# Altium PCB Spektrop2_PCB_Combined_CMV4000_V2.PcbDoc (part 6 of 6)
Units mm, origin at the board's own origin, x right, y up, seen from the top; angles counter-clockwise.
Board outline 86 x 42 mm, 8 copper layers (TOP, L1-GND, L2, L3-1V8, L4-PWR, L5, L6-P2V5, BTM), stack 1.588 mm thick; 343 components, 311 nets, 1810 pads, 948 vias.
Unrouted connection lines stored in the file: 2.
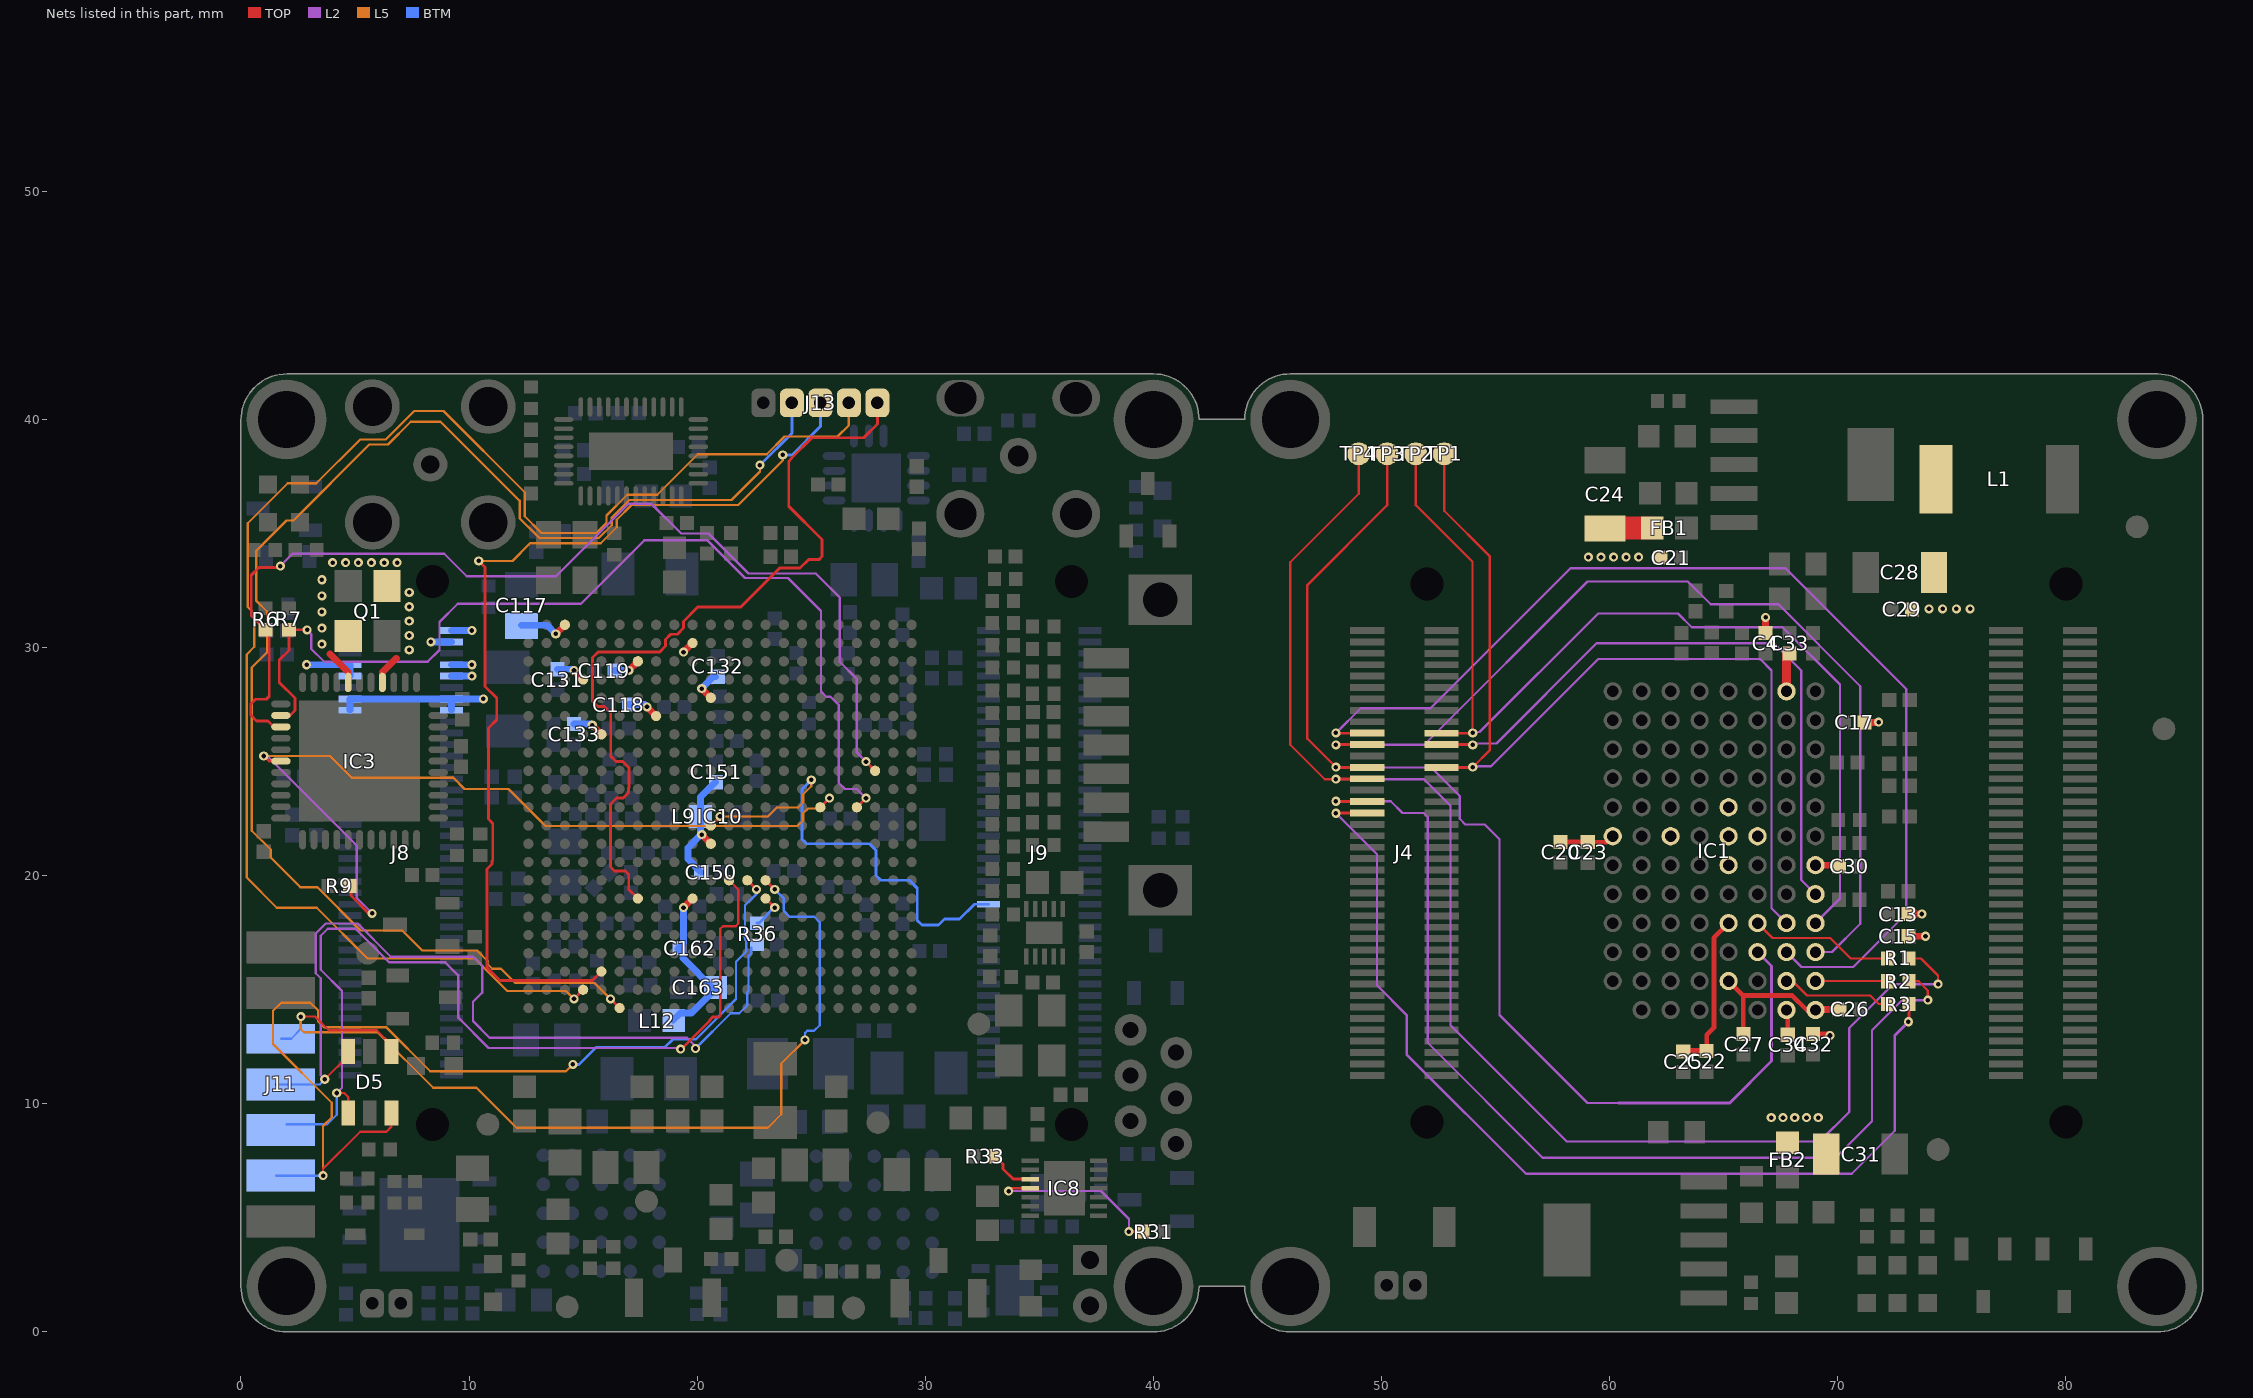
[diagram p12: the nets of this part, all layers, seen from the top]

## Via types
v1: diameter 0.4, hole 0.2, TOP to BTM, tented both sides, 941 vias
v2: diameter 0.4, hole 0.2, TOP to BTM, 7 vias

## Nets (pads, with @x,y where several pads share a name; then routed paths per layer and width w, separated by ;. In a path a pad name is that pad's centre, name@x,y a point inside that pad or via, vN(x,y) a via of type N, cw(c..) or ccw(c..) an arc to the next point about the centre after c; other vN are vias at no path point) (continued)
SI5340_nRST: IC3.17 IC10.M6 R9.2 | length 38.8
  TOP w0.125: v1@1,25.25 v1(0.999,25.249) 1.223,25.025 IC3.17@1.75,25.025 ; R9.2@4.825,19.55 4.825,19.125 5.6,18.35 v1(5.75,18.35) ; IC10.M6@25.399,23 v1(25.799,23.4)
  L2 w0.1: v1(0.999,25.249) 1.151,25.249 5.075,21.325 5.075,19.025 v1(5.75,18.35)
  L5 w0.1: v1(0.999,25.249) 3.899,25.249 4.848,24.3 9.301,24.3 9.801,23.8 11.725,23.8 13.35,22.175 24.4,22.175 24.649,22.424 24.649,22.745 24.854,22.95 25.349,22.95 v1(25.799,23.4)
SI5340_SCL: IC3.14 IC10.P3 R6.2 | length 46.2
  TOP w0.125: R6.2@1.075,30.78 0.45,31.405 0.45,33.175 0.788,33.513 1.588,33.513 1.675,33.6 1.7,33.575 v1(1.725,33.575) ; R6.2@1.238,30.617 1.238,27.864 1.111,27.738 0.638,27.738 0.425,27.525 0.425,27.05 0.687,26.788 1.187,26.788 1.45,26.525 IC3.14@1.75,26.525 ; v1(27.4,25) IC10.P3@27.799,24.6
  L2 w0.1: v1(1.725,33.575) 2.26,34.11 8.915,34.11 9.9,33.125 13.805,33.125 16.98,36.3 18,36.3 19.3,35 20.5,35 22.25,33.25 25.2,33.25 26.25,32.2 26.25,29.375 27,28.625 27,25.4 v1(27.4,25)
SI5340_SDA: IC3.13 IC10.M4 R7.2 | length 43.2
  TOP w0.125: IC3.13@1.75,27.025 2.15,27.025 2.362,27.237 2.362,27.788 1.675,28.475 1.675,29.45 2.1,29.875 R7.2@2.1,30.78 ; R7.2@2.125,30.755 R7.2@2.1,30.78 ; v1(2.9,30.775) 2.895,30.78 R7.2@2.1,30.78 ; IC10.M4@26.999,23 v1(27.399,23.4)
  L2 w0.1: v1(2.9,30.775) 3.075,30.6 3.075,29.95 3.65,29.375 8.182,29.375 8.7,29.893 8.7,31.125 9.5,31.925 14.905,31.925 17.68,34.7 20.45,34.7 22.1,33.05 23.975,33.05 25.424,31.601 25.424,28.08 25.654,27.85 25.844,27.85 26.2,27.494 26.2,24.075 26.475,23.8 26.999,23.8 v1(27.399,23.4)
SPI_CLK: IC1.H4 J4.19 TP2.1 | length 45.1
  TOP w0.1: TP2.1@51.5,38.496 51.5,36.246 53.987,33.759 v1@53.987,26.246
  TOP w0.125: J4.19@52.626,26.246 53.987,26.246 v1(53.999,26.258)
  L2 w0.1: v1(53.999,26.258) 54.037,26.296 54.3,26.296 59.5,31.496 63,31.496 63.6,30.896 67.582,30.896 70.1,28.378 70.1,18.996 IC1.H4@69.025,17.921
SPI_EN: IC1.G4 J4.25 TP1.1 | length 42.9
  TOP w0.1: TP1.1@52.75,38.496 52.75,35.996 54.75,33.996 54.75,25.509 v1(53.999,24.758)
  TOP w0.125: J4.25@52.626,24.746 53.987,24.746 v1(53.999,24.758)
  L2 w0.1: v1(53.999,24.758) 54.037,24.796 54.8,24.796 59.5,29.496 66.6,29.496 67.1,28.996 67.1,18.576 IC1.G4@67.755,17.921
SPI_IN: IC1.F3 J4.26 TP3.1 | length 53.2
  TOP w0.1: v1(48.001,24.758) 46.75,26.009 46.75,32.746 50.25,36.246 TP3.1@50.25,38.496
  TOP w0.125: v1(48.001,24.758) 48.013,24.746 J4.26@49.375,24.746
  L2 w0.1: v1(48.001,24.758) 48.013,24.746 52.175,24.746 53.425,23.496 53.425,22.496 53.675,22.246 54.525,22.246 55.175,21.596 55.175,13.896 59.035,10.036 60.4,10.036
  L2 w0.125: 60.4,10.036 65.265,10.036 67.1,11.871 67.1,16.036 IC1.F3@66.485,16.651
SPI_OUT: J4.28 R1.1 TP4.1 | length 63.7
  TOP w0.1: v1(48.001,24.233) 47.513,24.233 46,25.746 46,33.746 49,36.746 TP4.1@49,38.496 ; R1.1@73.118,16.546 73.293,16.371 73.65,16.371 74.4,15.621 v1(74.4,15.246)
  TOP w0.125: v1(48.001,24.233) 48.013,24.246 J4.28@49.375,24.246
  L2 w0.1: v1(48.001,24.233) 51.863,24.233 53.025,23.071 53.025,13.446 58.125,8.346 69.2,8.346 70.5,9.646 70.5,13.326 72.42,15.246 v1(74.4,15.246)
SPI_OUT_R: IC1.F4 R1.2 | length 6.4
  TOP w0.1: IC1.F4@66.485,17.921 67.135,17.271 69.675,17.271 70.575,16.371 72.003,16.371 R1.2@72.178,16.546
SYS_RES_N: IC1.H5 J4.21 | length 28.5
  TOP w0.125: J4.21@52.626,25.746 53.987,25.746 v1(53.999,25.733)
  L2 w0.1: v1(53.999,25.733) 54.062,25.796 55.037,25.796 59.437,30.196 67.2,30.196 68.4,28.996 68.4,19.816 IC1.H5@69.025,19.191 IC1.H5@69.286,19.191
T_dig1: J4.32 R2.1 | length 46.3
  TOP w0.1: R2.1@73.088,15.546 73.263,15.371 73.55,15.371 73.95,14.971 v1(73.95,14.546)
  TOP w0.125: v1(48,23.262) 48.012,23.25 J4.32@49.374,23.25
  L2 w0.1: v1(48,23.262) 50.409,23.262 50.925,22.746 51.85,22.746 52.025,22.571 52.025,12.675 57.061,7.639 69.907,7.639 71.5,9.232 71.5,13.221 72.825,14.546 v1(73.95,14.546)
T_dig1_R: IC1.H2 R2.2 | length 3.2
  TOP w0.1: IC1.H2@69.025,15.381 72.013,15.381 R2.2@72.178,15.546
T_dig2: J4.34 R3.1 | length 43.4
  TOP w0.125: v1(48,22.737) 48.012,22.749 J4.34@49.374,22.749 ; v1(73.1,13.596) 73.118,13.614 R3.1@73.118,14.371
  L2 w0.1: v1(48,22.737) 49.8,20.937 49.8,15.196 51.1,13.896 51.1,12.163 56.331,6.932 70.614,6.932 72.5,8.818 72.5,12.996
  L2 w0.125: 72.5,12.996 v1(73.1,13.596)
T_dig2_R: IC1.G2 R3.2 | length 4.9
  TOP w0.1: IC1.G2@67.755,15.381 68.015,15.381 68.65,14.746 71.425,14.746 71.8,14.371 72.003,14.371 R3.2@72.178,14.546
T_Exp1: IC1.H3 J4.22 | length 42.1
  TOP w0.125: v1(48.001,25.733) 48.013,25.746 J4.22@49.375,25.746
  L2 w0.1: v1(48.001,25.733) 48.013,25.746 51.875,25.746 59.025,32.896 63.429,32.896 64.429,31.896 67.4,31.896 70.991,28.305 70.991,17.898 69.745,16.651 IC1.H3@69.025,16.651
T_Exp2: IC1.G3 J4.20 | length 47.9
  TOP w0.125: v1(48.001,26.258) 48.013,26.246 J4.20@49.374,26.246
  L2 w0.1: v1(48.001,26.258) 49.088,27.346 52.15,27.346 58.286,33.482 67.714,33.482 73.007,28.189 73.007,18.328 70.675,15.996 68.41,15.996 IC1.G3@67.755,16.651
TCK: D5.1 IC10.H11 J11.6 | length 40.3
  TOP w0.1: v1(4.2,10.475) 4.525,10.475 4.7,10.3 D5.1@4.7,9.6 ; 20.95,13.805 21.01,13.866 21.01,17.67 21.128,17.787 21.687,17.787 21.8,17.9 21.8,19.399 IC10.H11@21.399,19.8
  TOP w0.125: v1(19.275,12.4) 19.311,12.4 20.559,13.648 20.559,13.684 20.68,13.805 20.95,13.805
  L2 w0.1: v1(4.2,10.475) 4.425,10.7 4.425,14.95 3.5,15.875 3.5,17.368 3.807,17.675 5.025,17.675 6.5,16.2 8.95,16.2 9.519,15.631 9.519,13.775 9.53,13.775 10.856,12.449 19.226,12.449 v1(19.275,12.4) v1@19.275,12.419
  BTM w0.1: J11.6@2,9.1 3.775,9.1 4.2,9.525 v1(4.2,10.475)
TDI: D5.4 IC10.H9 J11.10 | length 42.8
  TOP w0.1: v1(2.625,13.825) 3.25,13.825 3.85,13.225 5.95,13.225 6.6,12.575 D5.4@6.6,12.3
  TOP w0.125: IC10.H9@22.999,19.8 v1(23.399,19.4)
  L5 w0.1: v1(2.625,13.825) 2.625,13.275 2.763,13.137 5.988,13.137 8.425,10.7 10.325,10.7 12.075,8.95 23.1,8.95 23.688,9.538 23.688,11.763 v1(24.725,12.8)
  BTM w0.1: J11.10@1.75,12.85 2.2,12.85 2.625,13.275 v1(2.625,13.825) ; v1@23.4,19.4 23.8,19 23.8,18.45 24.05,18.2 25.129,18.2 25.375,17.954 25.375,17.625 ; v1(24.725,12.8) 24.725,13.1 24.825,13.2 25.125,13.2 25.374,13.449 25.374,17.626
  BTM w0.125: v1(23.399,19.4) v1@23.4,19.4
TDO: D5.6 J11.8 R36.1 | length 37.2
  TOP w0.1: v1(3.675,11.075) 4.7,12.1 D5.6@4.7,12.3
  L2 w0.1: v1(3.675,11.075) 3.5,11.25 3.5,15.5 3.275,15.725 3.275,17.461 3.714,17.9 5.118,17.9 6.568,16.45 10.175,16.45 10.575,16.05 10.575,14.875 10.175,14.475 10.175,13.625 10.9,12.9 19.55,12.9 19.925,12.525 v1(19.925,12.425)
  BTM w0.1: J11.8@1.55,10.85 3.45,10.85 v1(3.675,11.075) ; v1(19.925,12.425) 21.474,13.974 21.849,13.974 22.19,14.315 22.19,14.897 22.249,14.956 22.249,16.479 22.375,16.605 R36.1@22.375,16.85
TDO_R: IC10.G9 R36.2 | length 1.6
  TOP w0.125: IC10.G9@22.999,19 v1(23.399,18.6)
  BTM w0.125: R36.2@22.625,17.92 22.72,17.92 23.028,18.228 23.028,18.262 v1@23.33,18.565
  BTM w0.2: v1@23.33,18.565 v1(23.399,18.6)
TMS: D5.3 IC10.H10 J11.4 | length 44.2
  TOP w0.1: v1(3.6,6.85) 3.6,7.15 5.225,8.775 6.375,8.775 6.6,9 D5.3@6.6,9.6
  TOP w0.125: IC10.H10@22.199,19.8 v1(22.599,19.4)
  L5 w0.1: v1(3.6,6.85) 3.6,9.025 3.975,9.4 3.975,10.05 1.4,12.625 1.4,14.075 1.75,14.425 3.05,14.425 3.372,14.103 3.372,13.628 3.638,13.363 6.356,13.363 8.293,11.425 14.25,11.425 v1(14.55,11.725)
  BTM w0.1: J11.4@1.55,6.85 v1(3.6,6.85) ; 18.925,12.825 19.935,12.825 21.7,14.59 21.7,16.225 22.149,16.674 22.149,17.145 22.1,17.194 22.1,18.7 22.599,19.199 v1(22.599,19.4)
  BTM w0.125: v1(14.55,11.725) 14.821,11.725 15.567,12.471 18.571,12.471 18.925,12.825
UART0_RX: IC10.G16 J13.1 | length 35.4
  TOP w0.125: IC10.G16@17.399,19 17,19.399 17,20.05 16.85,20.2 16.375,20.2 16.2,20.375 16.2,23.148 16.464,23.412 16.76,23.412 16.987,23.639 16.987,23.85 17.012,23.875 17.012,24.735 16.735,25.012 16.439,25.012 16.212,25.239 16.212,27.138 15.938,27.412 15.639,27.412 15.412,27.639 15.412,29.56 15.664,29.812 18.36,29.812 18.612,30.064 18.612,30.36 18.839,30.587 19.135,30.587 19.4,30.852 19.4,31.148 20.027,31.775 21.912,31.775 23.619,33.482 24.505,33.482 24.877,33.854 25.329,33.854 25.475,34 25.475,34.733 24.013,36.195 24.013,38.165 24.138,38.289 24.138,38.313 25.025,39.2 27.3,39.2 27.9,39.8 J13.1@27.9,40.725
UART0_TX: IC10.B19 J13.2 | length 67.3
  TOP w0.125: v1(14.599,14.6) IC10.B19@14.999,15
  L5 w0.1: v1(14.599,14.6) 14.249,14.95 11.676,14.95 10.251,16.375 5.55,16.375 3.325,18.6 1.567,18.6 0.25,19.917 0.25,29.7 0.585,30.035 0.585,31.49 0.3,31.775 0.3,35.45 2.05,37.2 3.3,37.2 5.225,39.125 6.35,39.125 7.6,40.375 8.875,40.375 12.44,36.81 12.44,35.76 13.175,35.025 15.589,35.025 16.025,35.461 16.025,35.792 16.933,36.7 18.25,36.7 20.025,38.475 23.05,38.475 23.825,39.25 26.15,39.25 26.65,39.75 J13.2@26.65,40.725
UART1_RX: IC10.A17 J13.4 | length 64.3
  TOP w0.125: v1(16.2,14.6) IC10.A17@16.6,14.201
  L5 w0.1: v1(16.2,14.6) 15.499,15.3 12.025,15.3 11.4,15.925 11.02,15.925 10.8,16.145 10.8,16.268 10.343,16.725 7.95,16.725 7.075,17.6 5.239,17.6 3.339,19.5 2.6,19.5 1.3,20.8 1.3,21.143 0.475,21.968 0.475,29.132 1.15,29.807 1.15,31.568 0.675,32.043 0.675,34.255 1.995,35.575 2.3,35.575 5.625,38.9 6.443,38.9 7.443,39.9 8.75,39.9 12.215,36.435 12.215,35.667 13.082,34.8 15.682,34.8 16.25,35.368 16.25,35.699 17.026,36.475 21.5,36.475 22.75,37.725 v1(22.75,38)
  BTM w0.125: v1(22.75,38) 24.15,39.4 J13.4@24.15,40.725
UART1_TX: IC10.C18 J13.3 | length 42.7
  TOP w0.125: v1(10.425,33.8) 10.7,33.525 10.7,28.3 11.213,27.787 11.213,26.838 10.845,26.47 10.845,22.48 11.035,22.29 11.035,20.665 11.006,20.636 11.006,20.511 10.788,20.292 10.788,15.962 11.35,15.4 15.4,15.4 IC10.C18@15.799,15.8
  L5 w0.1: v1(10.425,33.8) 11.9,33.8 12.675,34.575 15.775,34.575 16.475,35.275 16.475,35.605 17.12,36.25 21.8,36.25 23.75,38.2 v1(23.75,38.45)
  BTM w0.125: v1(23.75,38.45) 24.15,38.45 25.4,39.7 J13.3@25.4,40.725
UART_FPGA_nRE: IC8.4 R31.2 | length 7.9
  TOP w0.125: v1(33.65,6.175) 33.775,6.3 IC8.4@34.6,6.3 ; v1(38.925,4.4) R31.2@39.53,4.4
  L2 w0.1: v1(33.65,6.175) 37.7,6.175 38.925,4.95 v1(38.925,4.4)
UART_FPGA_TX_DE: IC8.3 R33.1 | length 2.1
  TOP w0.125: R33.1@33.07,7.7 33.412,7.358 33.412,7.139 33.852,6.7 IC8.3@34.6,6.7
VCC_ADC: C150.1 C151.1 IC10.K12 L9.1 | length 5.3
  TOP w0.3: v1(20.199,21.8) IC10.K12@20.599,21.4
  BTM w0.3: L9.1@20.149,22.6 v1@20.149,21.85 ; L9.1@20.15,22.6 20.15,23.45 C151.1@20.8,24.1 ; C150.1@20.175,20.15 19.6,20.725 19.6,21.225 20.149,21.774 v1@20.149,21.85 ; v1(20.199,21.8) v1@20.149,21.85
VCCO_13: C117.1 C118.1 C119.1 C131.1 C132.1 C133.1 IC10.AA13 IC10.AB20 IC10.T18 IC10.U15 IC10.V12 IC10.W19 IC10.Y16 J8.1 J8.3 J8.7 J8.8 J8.9 J8.10 J8.13 J8.14 J8.15 J8.16 | length 22.3
  TOP w0.3: v1(13.799,30.6) IC10.AB20@14.199,31 ; v1(14.599,29) IC10.W19@14.999,28.6 ; v1(15.399,26.6) IC10.T18@15.799,26.2 ; v1(16.999,29) IC10.Y16@17.399,29.4 ; v1(17.799,27.4) IC10.U15@18.199,27 ; v1(19.399,29.8) IC10.AA13@19.799,30.2 ; v1(20.199,28.2) IC10.V12@20.599,27.8
  BTM w0.125: v1@16.99,28.991 v1(16.999,29)
  BTM w0.3: v1(2.875,29.25) J8.8@4.775,29.25 J8.10@4.775,28.75 ; J8.16@4.775,27.25 J8.14@4.775,27.75 J8.13@9.225,27.75 ; v1(8.325,30.25) J8.3@9.225,30.25 ; J8.15@9.225,27.25 J8.13@9.225,27.75 ; J8.9@9.225,28.75 v1(10.125,28.75) ; J8.7@9.225,29.25 v1(10.125,29.25) ; J8.1@9.225,30.75 v1(10.125,30.75) ; v1(10.625,27.75) J8.13@9.225,27.75 ; C117.1@12.3,30.982 13.417,30.982 v1(13.799,30.6) ; C131.1@13.869,29.05 14.549,29.05 v1(14.599,29) ; C133.1@14.599,26.65 15.349,26.65 v1(15.399,26.6) ; C119.1@16.386,28.991 v1@16.99,28.991 ; C118.1@17.024,27.5 17.699,27.5 v1(17.799,27.4) ; v1(20.199,28.2) 20.725,28.725 C132.1@20.8,28.725
VCCPLL: C162.1 C163.1 IC10.G13 L12.2 | length 7.4
  TOP w0.3: v1(19.399,18.6) IC10.G13@19.799,19
  BTM w0.3: L12.2@18.95,13.668 19.267,13.985 19.746,13.985 20.01,14.248 C163.1@20.762,15 ; v1(19.399,18.6) 19.399,17.05 19.149,16.8 19.374,16.574 19.374,16.388 C163.1@20.762,15 ; C163.1@20.85,15 C163.1@20.762,15
VDD20: C20.1 C21.1 C22.1 C23.1 C24.2 C25.2 FB1.2 IC1.A7 IC1.C7 IC1.E4 IC1.E7 IC1.E8 | length 11.5
  TOP w0.2: C20.1@57.849,21.477 59.036,21.477 C23.1@59.043,21.47 59.874,21.47 IC1.A7@60.135,21.731
  TOP w0.203: C22.1@64.25,12.308 64.25,13.019 64.574,13.343 64.574,17.28 IC1.E4@65.215,17.921
  TOP w0.3: C25.2@63.225,12.296 63.237,12.308 C22.1@64.25,12.308
  TOP w1: C24.2@59.797,35.217 59.822,35.242 FB1.2@61.872,35.242
  other v1: 59.072,33.967 59.622,33.967 60.172,33.967 60.722,33.967 61.272,33.967
VDD33: C4.1 C13.1 C15.1 C17.1 C26.1 C27.1 C28.2 C29.2 C30.2 IC1.E2 IC1.F7 IC1.H1 IC1.H6 L1.2 | length 10.8
  TOP w0.203: IC1.E2@65.215,15.381 65.85,14.746 ; C27.1@65.875,13.063 65.85,13.088 65.85,14.746 ; IC1.H1@69.025,14.111 68.644,14.111 68.009,14.746 65.85,14.746
  TOP w0.3: IC1.H6@69.025,20.461 70.012,20.461 C30.2@70.056,20.417 ; C13.1@73.1,18.321 v1(73.686,18.321)
  TOP w0.305: C4.1@66.841,30.646 v1@66.841,31.321 ; IC1.H1@69.025,14.111 69.05,14.136 C26.1@70.074,14.136 ; C17.1@71.175,26.721 71.78,26.721 v1(71.794,26.735) ; C15.1@73.1,17.346 v1@73.847,17.346
  other v1: 73.847,17.347 66.841,31.321 74,31.696 74.6,31.696 75.2,31.696 75.8,31.696
VDDpix: C31.2 C32.2 C33.2 C34.2 FB2.2 IC1.E6 IC1.G1 IC1.G12 | length 3.4
  TOP w0.203: IC1.G1@67.755,14.111 67.806,14.06 C34.2@67.806,13.03 ; C32.2@68.923,13.062 69.591,13.062 v1(69.66,12.993)
  TOP w0.4: IC1.G12@67.755,28.081 C33.2@67.755,29.626
  other v1: 67.085,9.396 67.6,9.396 68.115,9.396 68.631,9.396 69.146,9.396
XTAL_GND: IC3.4 IC3.7 Q1.2 Q1.4 | length 2.9
  TOP w0.125: IC3.7@4.675,28.4 IC3.7@4.7,28.375
  TOP w0.3: 3.9,29.725 4.7,28.925 IC3.7@4.7,28.475 ; IC3.4@6.2,28.475 6.2,28.934 6.791,29.525 6.825,29.525
  other v1: 7.375,29.9 3.55,30.15 7.375,30.53 3.55,30.856 7.375,31.16 3.55,31.562 7.375,31.79 3.55,32.269 7.375,32.42 3.55,32.975 4.02,33.725 4.585,33.725 5.15,33.725 5.715,33.725 6.28,33.725 6.845,33.725
ZYNQ_ADC: IC10.L12 J9.50 | length 20
  TOP w0.125: IC10.L12@20.599,22.2 v1(20.999,22.6)
  L5 w0.1: v1(20.999,22.6) 23.093,22.6 23.487,22.993 24.425,22.993 24.649,23.217 24.649,23.567 24.999,23.917 v1(24.999,24.2)
  BTM w0.125: v1(24.999,24.2) 24.592,23.792 24.592,21.602 24.79,21.404 27.551,21.404 27.837,21.118 27.837,20.013 28.05,19.8 29.3,19.8 29.65,19.45 29.65,18.037 29.852,17.835 30.581,17.835 30.846,18.1 31.5,18.1 32.15,18.75 J9.50@32.775,18.75
pads on no net: D6.2 IC1.F11 IC1.G7 IC1.H12 IC2.5 IC2.6 IC2.7 IC2.15 IC2.16 IC3.1 IC3.2 IC3.10 IC3.11 IC3.12 IC3.22 IC3.29 IC3.30 IC3.31 IC3.34 IC3.35 IC3.36 IC3.41 IC3.42 IC3.43 IC3.44 IC4.A5 IC4.B4 IC4.C3 IC4.C4 IC4.E5 IC5.A5 IC5.B4 IC5.C3 IC5.D4 IC5.E5 IC8.7 IC9.2 IC9.3 IC9.9 IC9.22 IC9.23 IC10.A9 IC10.A10 IC10.A11 IC10.A12 IC10.A14 IC10.A15 IC10.A16 IC10.AA11 IC10.AA12 IC10.AA14 IC10.AA15 IC10.AA16 IC10.AA17 IC10.AA19 IC10.AA20 IC10.AA21 IC10.AA22 IC10.AB11 IC10.AB12 IC10.AB13 IC10.AB14 IC10.AB16 IC10.AB17 IC10.AB18 IC10.AB19 IC10.AB21 IC10.AB22 IC10.B9 IC10.B11 IC10.B12 IC10.B13 IC10.B14 IC10.B16 IC10.B17 IC10.B21 IC10.B22 IC10.C9 IC10.C10 IC10.C11 IC10.C13 IC10.C15 IC10.C16 IC10.C19 IC10.C20 IC10.C21 IC10.D10 IC10.D11 IC10.D12 IC10.D13 IC10.D15 IC10.D16 IC10.D17 IC10.D20 IC10.D21 IC10.D22 IC10.E4 IC10.E9 IC10.E10 IC10.E12 IC10.E13 IC10.E14 IC10.E15 IC10.E17 IC10.E20 IC10.E22 IC10.F1 IC10.F2 IC10.F4 IC10.F9 IC10.F10 IC10.F11 IC10.F12 IC10.F14 IC10.F15 IC10.F19 IC10.F20 IC10.F21 IC10.F22 IC10.G1 IC10.G2 IC10.G4 IC10.G11 IC10.G17 IC10.G18 IC10.G19 IC10.G21 IC10.G22 IC10.H1 IC10.H5 IC10.H6 IC10.H16 IC10.H18 IC10.H19 IC10.H20 IC10.H21 IC10.J16 IC10.J17 IC10.J18 IC10.J20 IC10.J21 IC10.J22 IC10.K17 IC10.K18 IC10.K19 IC10.K20 IC10.K22 IC10.L16 IC10.L17 IC10.L19 IC10.L20 IC10.L21 IC10.L22 IC10.M16 IC10.M17 IC10.M18 IC10.M19 IC10.M21 IC10.M22 IC10.N16 IC10.N18 IC10.N19 IC10.N20 IC10.N21 IC10.P16 IC10.P17 IC10.P18 IC10.P20 IC10.P21 IC10.P22 IC10.R17 IC10.R18 IC10.R19 IC10.R20 IC10.R22 IC10.T17 IC10.T19 IC10.T20 IC10.T21 IC10.T22 IC10.U13 IC10.U14 IC10.U16 IC10.U17 IC10.U18 IC10.U19 IC10.U21 IC10.U22 IC10.V16 IC10.V18 IC10.V19 IC10.V20 IC10.V21 IC10.W16 IC10.W17 IC10.W18 IC10.W20 IC10.W21 IC10.W22 IC10.Y12 IC10.Y13 IC10.Y14 IC10.Y15 IC10.Y17 IC10.Y18 IC10.Y19 IC10.Y20 IC10.Y22 IC11.6 IC12.9 IC13.5 J4.2 J4.4 J4.6 J4.81 J4.82 J5.1 J5.2 J5.3 J5.4 J5.7 J5.8 J5.9 J5.10 J5.13 J5.14 J5.16 J5.19 J5.20 J5.21 J5.22 J5.25 J5.26 J5.27 J5.28 J5.31 J5.32 J5.33 J5.34 J5.37 J5.38 J5.41 J5.42 J5.43 J5.44 J5.48 J5.50 J5.81 J5.82 J8.2 J8.4 J8.6 J8.81 J8.82 J9.81 J9.82 J11.12 J11.14

## Polygon pours and split planes (outlines as drawn)
P3V3 on BTM "BTM_P3V3" (solid, pour order 124): 32.875,3.65 32.875,0.65 30.725,0.65 30.725,2.275 32.1,3.65
P1V8 on BTM "BTM_P1V8" (solid, pour order 96): 28.925,9.96 28.925,11 29.575,11 29.575,13.575 27,13.575 27,9.96
P1V8_L on BTM "BTM_P1V2" (solid, pour order 58): 24.802,7.06 26.755,7.06 26.755,9.96 24.802,9.96
GND on BTM "BTM_GND" (solid, remove dead copper, pour order 52): 26.886,9.96 28.681,9.96 28.681,9.775 28.681,5.66 26.886,5.66
P12V0 on BTM "BTM_P12V" (solid, remove dead copper, pour order 48): 22.9,5.794 23.6,6.494 23.6,6.769 24.585,6.776 25.855,6.776 27.76,4.871 29.665,6.776 30.935,6.776 31.874,6.771 31.88,4.205 31.566,3.89 23.954,3.89 23.686,4.158 21.84,4.158 21.84,5.794
GND on BTM "BTM_GND" (solid, remove dead copper, pour order 50): 24.585,7.144 21.545,7.144 21.545,9.96 24.585,9.96
GND on BTM "BTM_GND" (solid, remove dead copper, pour order 38): 21.545,6.802 21.545,5.395 20.24,5.395 20.24,8.271 18.695,8.277 18.695,10 21.545,10
P12V0 on BTM "BTM_P12V" (solid, remove dead copper, pour order 22): 11.625,6.81 11.625,4.198 11.721,4.198 12.659,3.26 18.931,3.26 20.246,4.575 20.24,6.809 18.97,6.816 17.7,6.816 15.795,4.911 13.89,6.816 12.62,6.816
GND on BTM "BTM_GND" (solid, remove dead copper, pour order 20): 14.921,10 16.6,10 16.6,5.7 14.921,5.7
P1V0_L on BTM "BTM_P1V0_L" (solid, pour order 14): 18.595,8.3 20.15,8.3 20.15,7.1 19.825,7.1 18.325,7.1 16.68,7.1 16.68,10 18.595,10
P3V3 on BTM "BTM_P3V3" (solid, pour order 134): 32.4,10.75 34.375,10.75 34.375,8.15 34.4,8.125 32.4,8.125
P3V3_L on BTM "BTM_P1V2" (solid, pour order 54): 31.85,10.725 31.85,7.06 28.78,7.06 28.78,10.725
P2V5 on BTM "BTM_P2V5" (solid, pour order 130): 38.525,5.25 36.025,5.25 36.025,3.175 38.525,3.175
P1V2 on BTM "BTM_P1V2" (solid, pour order 6): 11.75,7.925 11.75,7.1 13.025,7.1 14.79,7.1 14.79,10 11.75,10
P1V0 on BTM "BTM_P1V0" (solid, remove dead copper, pour order 80): 19.7,11.8 21.271,13.371 24.4,13.371 24.4,10.25 19.7,10.25
GND on TOP "TOP_GND" (solid, pour order 100): 14.925,9.875 14.925,7.875 14.85,7.8 14.83,7.82 13.175,7.82 12.975,7.62 12.975,6.125 16.675,6.125 16.675,9.875
P12V0 on TOP "TOP_P12V0" (solid, remove dead copper, pour order 42): 8.875,6.275 12.796,6.275 12.796,4.65 8.875,4.65
GND on TOP "TOP_GND" (solid, remove dead copper, pour order 40): 9.125,7.425 10.275,8.575 11.35,8.575 11.35,6.25 9.125,6.25
P3V3 on TOP "TOP_P3V3" (solid, remove dead copper, pour order 68): 34.375,10.75 34.375,8.225 32.4,8.225 32.4,10.75
P3V3_L on TOP "TOP_P1V2" (solid, remove dead copper, pour order 72): 31.725,10.75 32.05,10.75 32.2,10.6 32.2,8.875 31.9,8.575 31.725,8.4 31.725,5.785 29.475,5.785 29.475,8.075 28.8,8.075 28.8,10.75
P1V8 on TOP "TOP_P1V2" (solid, remove dead copper, pour order 74): 28.661,11.975 28.261,11.975 27.861,11.575 27.861,10.15 25,10.15 25,12.75 28.661,12.75
P1V2 on TOP "TOP_P1V2" (solid, remove dead copper, pour order 8): 14.75,8 13.355,8 13.025,7.67 13.025,6.4 11.375,6.4 11.375,9.875 14.201,9.875 14.75,9.323